# Altium PCB LimeSDR-QPCIe_1v2.PcbDoc (part 4 of 21)
Units mm, origin at the board's own origin, x right, y up, seen from the top; angles counter-clockwise.
Board outline 190 x 111.15 mm, 14 copper layers (Top, L2, L3, L4, L5, L6, L7, L8, L9, L10, L11, L12, L13, Bottom), stack 1.907 mm thick; 2014 components, 1408 nets, 9111 pads, 4171 vias.
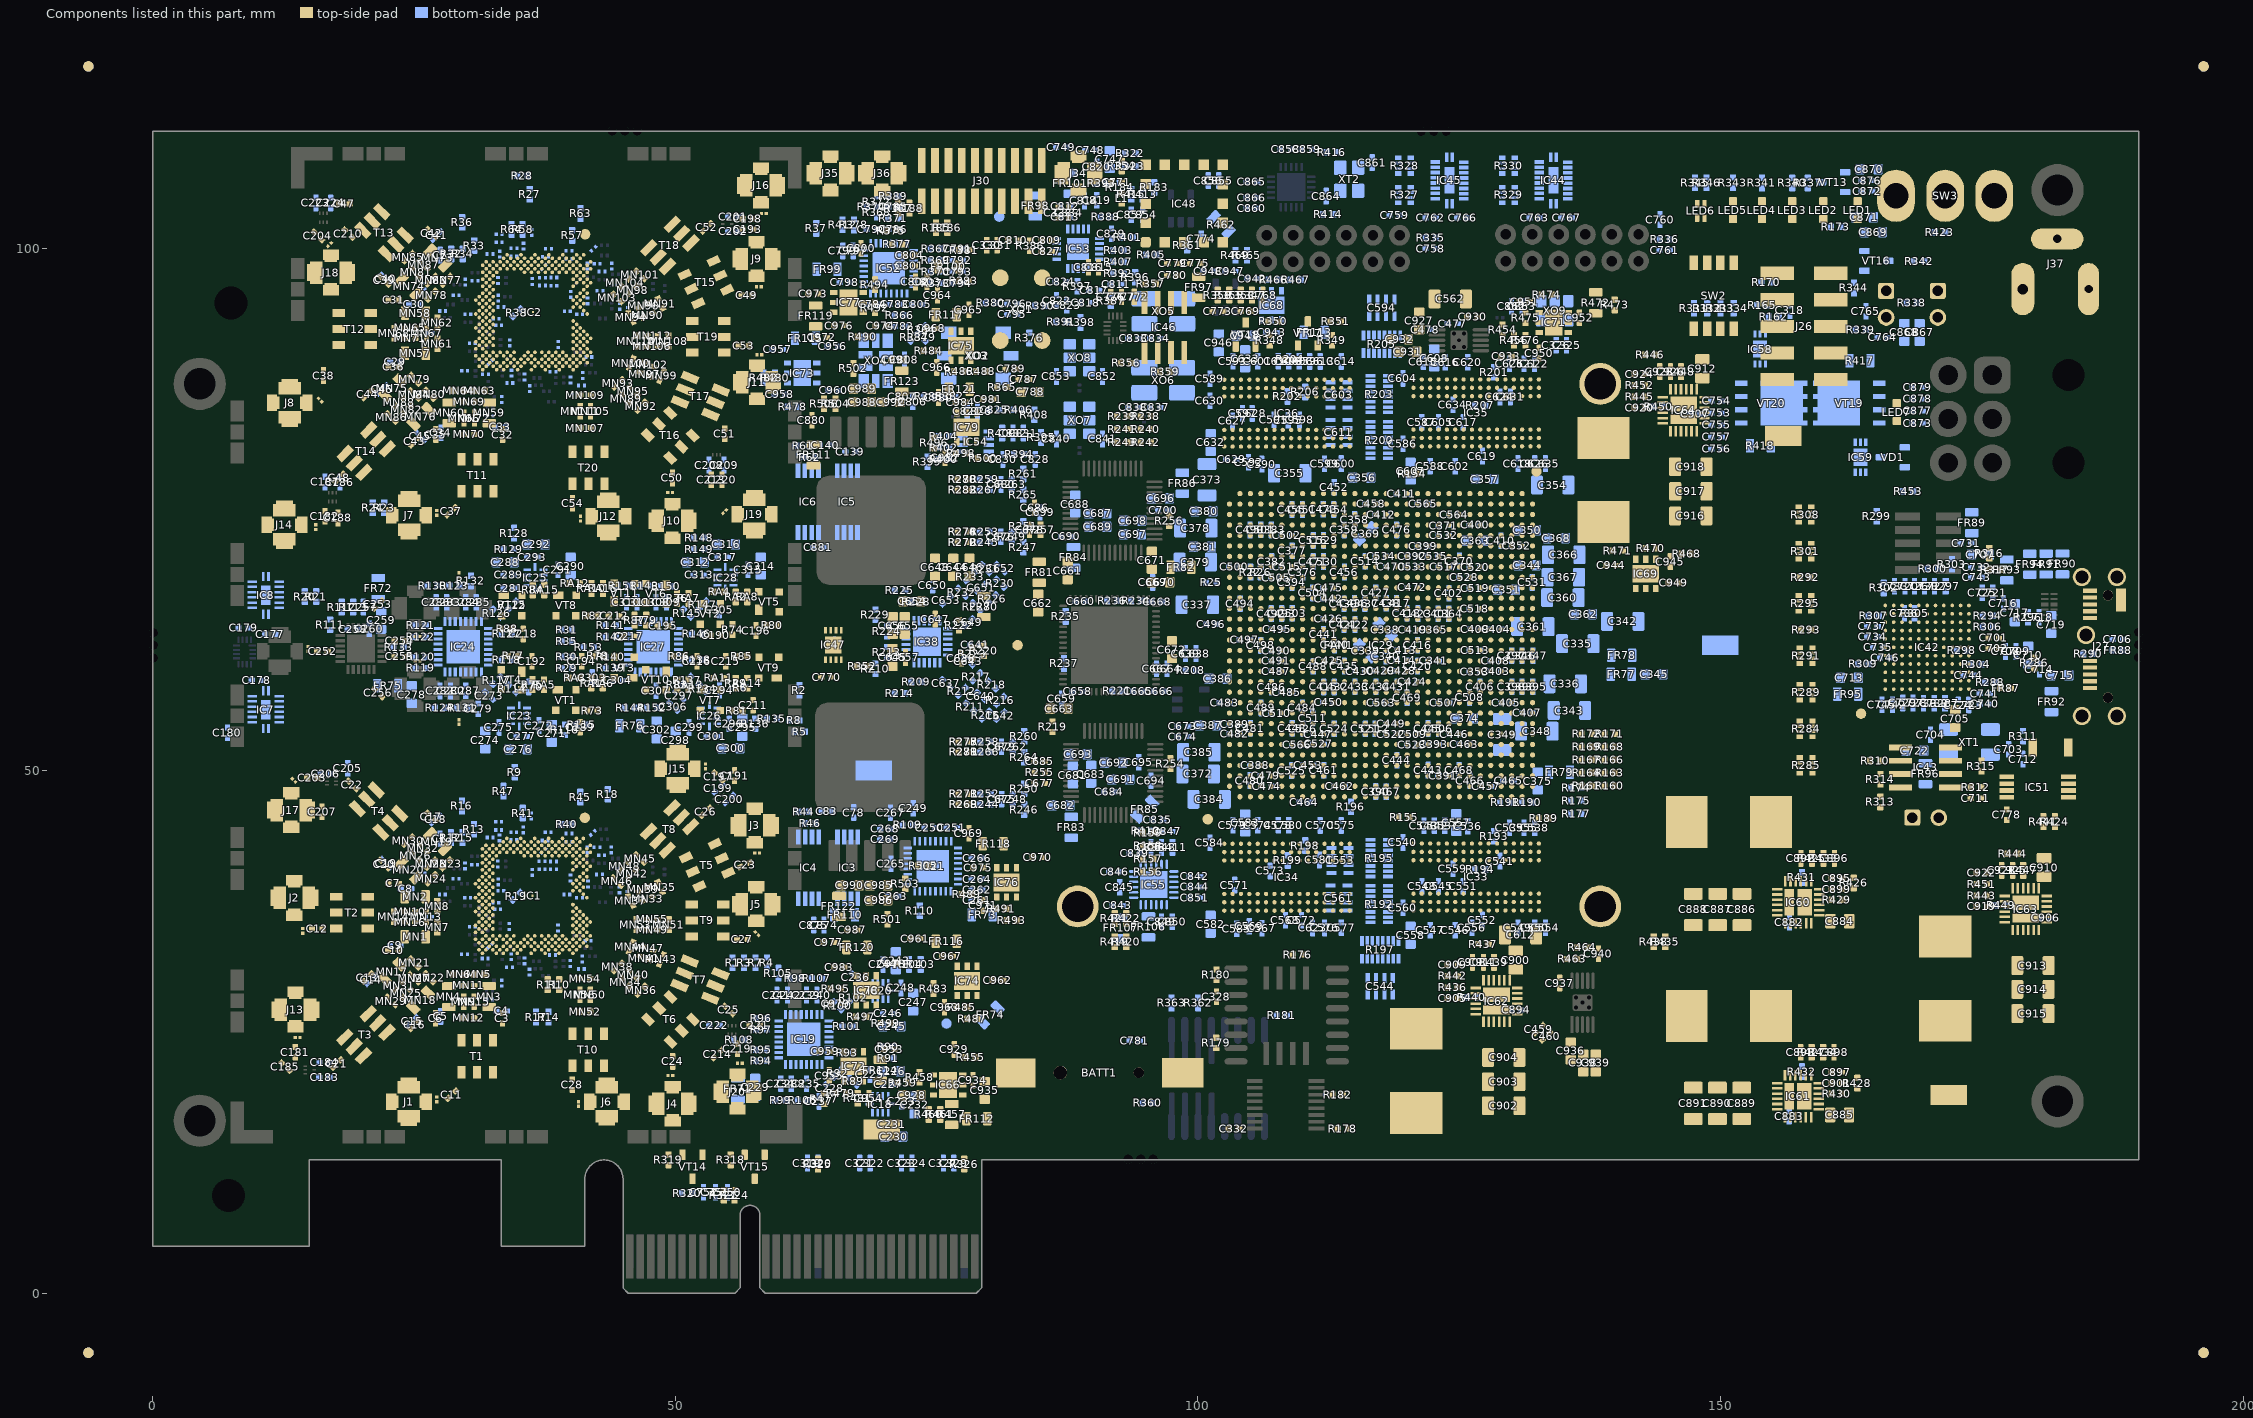
[diagram p16: the components of this part, seen from the top]

## Components (designator, comment, footprint, x,y, rotation, side; value= is the part's Value field where it differs from the comment) (continued)
R385 "22R" RES0402#2 74.25,85.8 r180 bottom
R386 "49.9R, 1%" RES0402#1 83.95,100.225 r90 top
R387 "10R, 5%" RES0402#2 91.675,94.975 r90 bottom
R388 "1k, 1%" RES0402#2 91.175,102.975 r0 bottom
R389 "0R" RES0402_v2 70.875,104.975 r0 bottom
R390 "0R" RES0402#2 84.925,94.475 r180 bottom
R391 "0R" RES0402#2 86.95,92.925 r180 bottom
R392 "10k, 1%" RES0402#2 92.4,97.575 r180 bottom
R393 "49.9R, 1%" RES0402#2 90.825,106.175 r180 bottom
R394 "1k, 1%" RES0402#2 82.9,80.275 r180 bottom
R395 "0R" RES0402#2 85,81.875 r270 bottom
R396 "10k, 1%" RES0402#2 94,97.2 r270 bottom
R397 "10k, 1%" RES0402#2 88.475,96.35 r270 bottom
R398 "5.1k, 1%" RES0402#2 88.775,92.875 r90 bottom
R399 "10k, 1%" RES0402#2 74.128,79.558 r270 bottom
R400 "49.9R, 1%" RES0402#2 75.703,79.808 r180 bottom
R401 "49.9R, 1%" RES0402#2 93.275,101.025 r180 bottom
R402 "49.9R, 1%" RES0402#2 75.703,80.908 r180 bottom
R403 "49.9R, 1%" RES0402#2 92.4,99.775 r180 bottom
R404 "49.9R, 1%" RES0402#2 75.703,82.008 r180 bottom
R405 "10k, 1%" RES0402#2 95.55,99.35 r0 bottom
R406 "3k, 1%" RES0402#2 82.875,84.525 r180 bottom
R407 "49.9R, 1%" RES0402#2 92.4,98.675 r180 bottom
R408 "1k, 1%" RES0402#2 84.355,84.055 r90 bottom
R409 "10k, 1%" RES0402#2 81.275,82.3 r90 bottom
R410 "49.9R, 1%" RES0402#2 95.025,44.25 r0 bottom
R411 "0R" RES0402#2 97.575,42.65 r270 bottom
R412 "0R" RES0402#2 66,102.225 r90 bottom
R413 "0R" RES0402#2 94.725,105.15 r270 bottom
R414 "0R" RES0402#2 112.475,103.225 r0 bottom
R415 "0R" RES0402#2 93.625,105.15 r270 bottom
R416 "0R" RES0402#2 112.825,109.175 r180 bottom
R417 "0R" RES0805#1 163.35,89.215 r0 bottom
R418 "0R" RES0805#1 153.825,81.08 r180 bottom
R419 "0R" RES0402#1 92.05,33.625 r270 top
R420 "0R" RES0402#1 93.15,33.625 r270 top
R421 "0R" RES0402#1 92.05,35.85 r90 top
R422 "0R" RES0402#1 93.15,35.85 r90 top
R423 "0R" RES0402#2 171,101.5 r0 bottom
R424 "0R" RES0402#1 182,45.125 r270 top
R425 "15k, 1%" RES0402#1 158.75,41.6 r90 top
R426 "44.2k, 1%" RES0402#1 162.75,39.25 r90 top
R427 "8.2k, 1%" RES0402#1 158.725,23.05 r90 top
R428 "44.2k, 1%" RES0402#1 163.1,20.1 r90 top
R429 "100k, 5%" RES0402#1 161.15,37.65 r0 top
R430 "124k, 1%" RES0402#1 161.125,19.1 r0 top
R431 "10k, 1%" RES0402#2 157.8,39.775 r270 bottom
R432 "10k, 1%" RES0402#2 157.8,21.2 r270 bottom
R433 "39k, 1%" RES0402#1 159.85,41.6 r270 top
R434 "66.5k" RES0402#1 159.825,23.05 r270 top
R435 "10k, 1%" RES0402#1 144.725,33.625 r270 top
R436 "47.5k, 1%" RES0402#1 124.375,29.25 r180 top
R437 "44.2k, 1%" RES0402#1 127.325,33.4 r180 top
R438 "0R" RES0402#1 143.625,33.625 r90 top
R439 "100k, 5%" RES0402#1 128.325,31.65 r90 top
R440 "15k, 1%" RES0402#2 126.225,28.325 r180 bottom
R441 "0R" RES0402#1 180.9,45.125 r270 top
R442 "44.2k, 1%" RES0402#1 124.375,30.35 r0 top
R443 "10k, 1%" RES0402#1 175.013,38.05 r0 top
R444 "44.2k, 1%" RES0402#1 177.95,42.05 r180 top
R445 "22k, 1%" RES0402#1 142.275,85.775 r180 top
R446 "44.2k, 1%" RES0402#1 143.3,89.8 r180 top
R447 "100k, 5%" RES0402#1 178.963,40.45 r90 top
R448 "100k, 5%" RES0402#1 146.225,88.175 r90 top
R449 "2.21k, 1%" RES0402#2 176.863,37.125 r180 bottom
R450 "3k, 1%" RES0402#2 144.1,84.825 r180 bottom
R451 "44.2k, 1%" RES0402#1 175.013,39.143 r0 top
R452 "44.2k, 1%" RES0402#1 142.275,86.875 r0 top
R453 "470R, 0.5%" RES0402#2 167.95,76.725 r0 bottom
R454 "10k, 1%" RES0402#1 129.15,92.175 r270 top
R455 "0R" RES0402#1 78.25,22.575 r180 top
R456 "10k, 1%" RES0402#1 130.25,91.175 r270 top
R457 "0R" RES0805#2 76.45,17.1 r90 top
R458 "47.5k, 1%" RES0402#1 73.375,20.65 r90 top
R459 "15k, 1%" RES0402#1 71.775,20.15 r0 top
R460 "10k, 1%" RES0402#1 74.25,17.1 r90 top
R461 "10k, 1%" RES0402#1 75.35,17.1 r90 top
R462 "0R" RES0805#1 102.225,102.25 r315 bottom
R463 "10k, 1%" RES0402#1 135.8,31.975 r0 top
R464 "10k, 1%" RES0402#1 136.8,33.075 r0 top
R465 "0R" RES0402#2 104.7,99.3 r270 bottom
R466 "47.5k, 1%" RES0402#2 107.25,96.975 r180 bottom
R467 "15k, 1%" RES0402#2 109.35,96.975 r180 bottom
R468 "0R" RES0402#1 146.775,70.75 r180 top
R469 "0R" RES0402#2 103.6,99.3 r270 bottom
R470 "7.5k, 1%" RES0402#1 143.325,71.275 r0 top
R471 "15k, 1%" RES0402#1 140.175,71.05 r0 top
R472 "0R" RES0805#2 138.075,94.775 r90 top
R473 "0R" RES0402#1 139.875,94.55 r90 top
R474 "0R" RES0402#1 133.375,95.55 r180 top
R475 "10k, 1%" RES0402#1 131.35,93.325 r90 top
R476 "8.2k, 1%" RES0402#1 131.35,91.175 r90 top
R477 "0R" RES0402#1 64.25,18.6 r90 top
R478 "0R" RES0402#2 61.25,84.8 r180 bottom
R479 "10k, 1%" RES0402#1 65.85,19.15 r180 top
R480 "10k, 1%" RES0402#2 59.55,87.6 r270 bottom
R481 "8.2k, 1%" RES0402#1 67.45,18.65 r90 top
R482 "8.2k, 1%" RES0402#2 58.45,87.6 r90 bottom
R483 "0R" RES0402#1 74.716,29.15 r270 top
R484 "0R" RES0402#1 74.275,90.175 r0 top
R485 "10k, 1%" RES0402#1 77.425,27.35 r180 top
R486 "10k, 1%" RES0402#1 77.175,88.2 r180 top
R487 "8.2k, 1%" RES0402#1 78.425,26.25 r180 top
R488 "8.2k, 1%" RES0402#1 79.275,88.2 r180 top
R489 "0R" RES0402#1 77.9,38.175 r0 top
R490 "0R" RES0402#1 67.95,91.5 r0 top
R491 "7.5k, 1%" RES0402#1 81.2,36.775 r180 top
R492 "7.5k, 1%" RES0402#1 69.1,94.275 r270 top
R493 "10k, 1%" RES0402#1 82.2,35.675 r180 top
R494 "10k, 1%" RES0402#1 69.1,96.5 r270 top
R495 "0R" RES0402#1 65.35,29.15 r0 top
R496 "0R" RES0402#1 74.762,81.35 r270 top
R497 "8.2k, 1%" RES0402#1 67.775,26.45 r180 top
R498 "8.2k, 1%" RES0402#1 77.362,80.35 r180 top
R499 "15k, 1%" RES0402#1 70.125,25.85 r180 top
R500 "15k, 1%" RES0402#1 79.45,79.875 r180 top
R501 "0R" RES0402#1 70.314,35.785 r90 top
R502 "0R" RES0402#1 67.045,88.481 r270 top
R503 "1k, 1%" RES0402#1 72.014,39.185 r270 top
R504 "1k, 1%" RES0402#1 65.336,85.09 r90 top
R505 "100k, 5%" RES0402#1 73.725,40.9 r0 top
R506 "100k, 5%" RES0402#1 64.236,85.09 r90 top
RA1 "560R, 1%" RES0402#1 41.957,58.375 r270 top
RA2 "560R, 1%" RES0402#1 55.787,66.613 r270 top
RA3 "2.49k, 1%" RES0402#1 40.357,58.875 r0 top
RA4 "2.49k, 1%" RES0402#1 54.187,67.113 r0 top
RA5 "49.9R, 1%" RES0402#1 37.45,58.225 r270 top
RA6 "49.9R, 1%" RES0402#1 43.057,58.375 r90 top
RA7 "49.9R, 1%" RES0402#1 51.268,66.475 r270 top
RA8 "49.9R, 1%" RES0402#1 56.887,66.613 r90 top
RA9 "560R, 1%" RES0402#1 55.782,58.362 r270 top
RA10 "560R, 1%" RES0402#1 41.975,67.425 r270 top
RA11 "2.49k, 1%" RES0402#1 54.182,58.863 r0 top
RA12 "2.49k, 1%" RES0402#1 40.375,67.925 r0 top
RA13 "49.9R, 1%" RES0402#1 51.275,58.225 r270 top
RA14 "49.9R, 1%" RES0402#1 56.882,58.362 r90 top
RA15 "49.9R, 1%" RES0402#1 37.455,67.288 r270 top
RA16 "49.9R, 1%" RES0402#1 43.075,67.425 r90 top
SW1 "Switch, tactile" SW_tactile 181.575,52.2 r0 top
SW2 "4 bit switch" SW_4WAY_SMD_1P27 149.36,95.425 r180 top
SW3 "ON-ON" SWITCH_SPDT_SLIDER_V2 171.5,105 r0 top locked
T1 "JA4220-AL_" JA4220-AL_ 31.045,22.671 r0 top
T2 "JA4220-AL_" JA4220-AL_ 19.071,36.411 r270 top
T3 "TCM1-63AX+" TCM1-63AX+_v2 20.4,24.725 r135 top
T4 "TCM1-63AX+" TCM1-63AX+_v2 21.612,46.122 r45 top
T5 "JA4220-AL_" JA4220-AL_ 53.051,40.964 r115 top
T6 "JA4220-AL_" JA4220-AL_ 49.537,26.189 r45 top
T7 "TCM1-63AX+" TCM1-63AX+_v2 52.367,30.004 r247.5 top
T8 "TCM1-63AX+" TCM1-63AX+_v2 49.458,44.412 r315 top
T9 "JA4220-AL_" JA4220-AL_ 53.079,35.665 r90 top
T10 "JA4220-AL_" JA4220-AL_ 41.674,23.297 r0 top
T11 "JA4220-AL_" JA4220-AL_ 31.086,78.248 r0 top
T12 "JA4220-AL_" JA4220-AL_ 19.337,92.248 r270 top
T13 "TCM1-63AX+" TCM1-63AX+_v2 22.138,101.459 r45 top
T14 "TCM1-63AX+" TCM1-63AX+_v2 20.427,80.562 r135 top
T15 "JA4220-AL_" JA4220-AL_ 52.927,96.732 r115 top
T16 "JA4220-AL_" JA4220-AL_ 49.518,82.072 r45 top
T17 "TCM1-63AX+" TCM1-63AX+_v2 52.393,85.841 r247.5 top
T18 "TCM1-63AX+" TCM1-63AX+_v2 49.485,100.25 r315 top
T19 "JA4220-AL_" JA4220-AL_ 53.145,91.507 r90 top
T20 "JA4220-AL_" JA4220-AL_ 41.701,78.975 r0 top
TP1 "TESTPOINT_THT_MINI" TP-SMD-LOW_PROFILE 171.85,18.95 r180 top
TP2 "TESTPOINT_THT_MINI" TP-SMD-LOW_PROFILE 69.75,15.65 r0 top
TP3 "TESTPOINT_THT_MINI" TP-SMD-LOW_PROFILE 156,82 r0 top
TP4 "TESTPOINT_THT_MINI" TP-SMD-LOW_PROFILE 69,50 r180 bottom
TP5 "TESTPOINT_THT_MINI" TP-SMD-LOW_PROFILE 150,62 r180 bottom
VD1 "MMBD1205" SOT23-3_v2 166.5,79.98 r180 bottom
VT1 "RF MOSFET" BF1105R_SOT143R4 39.532,56.75 r180 top
VT2 "RF MOSFET" BF1105R_SOT143R4 53.362,64.988 r180 top
VT3 "RF MOSFET" BF1105R_SOT143R4 45.12,59.862 r0 top
VT4 "RF MOSFET" BF1105R_SOT143R4 34.325,58.7 r90 top
VT5 "RF MOSFET" BF1105R_SOT143R4 58.975,66.15 r270 top
VT6 "RF MOSFET" BF1105R_SOT143R4 48.155,66.938 r90 top
VT7 "RF MOSFET" BF1105R_SOT143R4 53.357,56.737 r180 top
VT8 "RF MOSFET" BF1105R_SOT143R4 39.55,65.8 r180 top
VT9 "RF MOSFET" BF1105R_SOT143R4 58.945,59.85 r0 top
VT10 "RF MOSFET" BF1105R_SOT143R4 48.15,58.687 r90 top
VT11 "RF MOSFET" BF1105R_SOT143R4 45.163,66.963 r270 top
VT12 "RF MOSFET" BF1105R_SOT143R4 34.368,65.8 r180 top
VT13 "NDS331N" SOT23-3#1 160.775,106.3 r180 bottom
VT14 "NDS331N" SOT23-3#2 51.65,12.1 r270 top
VT15 "NDS331N" SOT23-3#2 57.6,12.1 r270 top
VT16 "NDS331N" SOT23-3#1 164.925,98.775 r0 bottom
VT17 "NDS331N" SOT23-3#2 110.525,91.825 r90 top
VT18 "NDS331N" SOT23-3#2 104.575,91.725 r90 top
VT19 "BSC093N04LS G" BSC093N04LS_G 162.325,85.155 r180 bottom
VT20 "BSC093N04LS G" BSC093N04LS_G 154.85,85.155 r0 bottom
XO1 "U7475LF 30.72MHz" AOCJYR-10.000MHZ 83.1,94.15 r90 top
XO2 "E6245LF 30.72 MHz" RAKON_RPT7050A 78.925,89.7 r0 bottom
XO3 "E5280LF 30.72MHz" RAKON_TXCO 78.925,89.7 r0 bottom
XO4 "RTX5032A, 40.00MHz" RAKON_RTX5032A 69.175,89.2 r90 bottom
XO5 "KC5032A 100MHz" CRYSTAL_4-LCC_v4 96.7,93.95 r0 bottom
XO6 "KC5032A 125MHz" CRYSTAL_4-LCC_v4 96.675,87.35 r0 bottom
XO7 "SG3225" CRYSTAL_6-LCC 87.75,83.525 r90 bottom
XO8 "SG3225" CRYSTAL_6-LCC 87.75,89.5 r90 bottom
XO9 "SG3225" CRYSTAL_6-LCC 134.136,94.926 r0 bottom
XT1 "19.2MHz" CRYSTAL_4-LCC_v2 173.825,52.733 r180 bottom
XT2 "25MHz" CRYSTAL_4-LCC 114.475,106.575 r270 bottom

## Footprints (in the part's own frame and the unit in brackets; to place one, negate y for a bottom-side part, rotate by r counter-clockwise, add the part's x,y. Pads: shape width x height; smd on the part's side, far side on the other; paste and mask are expansions set on the pad)
24FC512 [mm] "TSOP, 8-Leads, Body 3,00x4,40mm, Pitch 0,65mm, IPC Medium Density"
  rect 1.4x0.45 smd mask+0.05: 1(-2.95,0.975) 2(-2.95,0.325) 3(-2.95,-0.325) 4(-2.95,-0.975) 5(2.95,-0.975) 6(2.95,-0.325) 7(2.95,0.325) 8(2.95,0.975)
  silkscreen extent -3.07,-1.55 1.85,1.88, body extent -3.25,-1.55 3.25,1.55, height 1.19
74HC595BQ,115 [mm]
  rect 0.9x0.25 smd mask+0.05: 1(-1.8,-0.25) 8(1.8,-0.25) 9(1.8,0.25) 16(-1.8,0.25)
  rect 0.25x0.9 smd mask+0.05: 2(-1.3,-1.3) 3(-0.8,-1.3) 4(-0.3,-1.3) 5(0.2,-1.3) 6(0.7,-1.3) 7(1.2,-1.3) 10(1.2,1.3) 11(0.7,1.3) 12(0.2,1.3) 13(-0.3,1.3) 14(-0.8,1.3) 15(-1.3,1.3)
  rect 1.9x0.9 smd paste-2 mask+0.05: PAD(0,0)
  silkscreen extent -2.3,-1.8 2.3,1.8, body extent -1.8,-1.07 1.8,1.08, height 1
AD5662_SOT23-8 [mm]
  rect 1x0.4 smd mask+0.05: 1(-1.25,0.975) 2(-1.25,0.325) 3(-1.25,-0.325) 4(-1.25,-0.975) 5(1.25,-0.975) 6(1.25,-0.325) 7(1.25,0.325) 8(1.25,0.975)
  silkscreen extent -1.29,-1.4 0.3,1.51, body extent -1.4,-1.49 1.4,1.45, height 1.2
ADA4930-2_LFCSP-24 [mm] "QFN, 24-Leads, Body 4,00x4,00mm, Pitch 0,50mm, thermal pad, IPC Medium Density"
  rect 0.9x0.3 smd mask+0.05: 1(-2,1.25) 2(-2,0.75) 3(-2,0.25) 4(-2,-0.25) 5(-2,-0.75) 6(-2,-1.25) 13(2,-1.25) 14(2,-0.75) 15(2,-0.25) 16(2,0.25) 17(2,0.75) 18(2,1.25)
  rect 0.3x0.9 smd mask+0.05: 7(-1.25,-2) 8(-0.75,-2) 9(-0.25,-2) 10(0.25,-2) 11(0.75,-2) 12(1.25,-2) 19(1.25,2) 20(0.75,2) 21(0.25,2) 22(-0.25,2) 23(-0.75,2) 24(-1.25,2)
  rect 2.7x2.7 smd mask+0.05: 25(0,0)
  silkscreen extent -2.58,-2.1 2.1,2.1, body extent -2,-2 2,2, height 0.83
ADF4002 [mm]
  rect 0.85x0.3 smd mask+0.05: 1(-2.05,1) 2(-2.05,0.5) 3(-2.05,0) 4(-2.05,-0.5) 5(-2.05,-1) 11(2.05,-1) 12(2.05,-0.5) 13(2.05,0) 14(2.05,0.5) 15(2.05,1)
  rect 0.3x0.85 smd mask+0.05: 6(-1,-1.9) 7(-0.5,-1.9) 8(0,-1.9) 9(0.5,-1.9) 10(1,-1.9) 16(1,1.9) 17(0.5,1.9) 18(0,1.9) 19(-0.5,1.9) 20(-1,1.9)
  rect 2.1x2.1 smd: 21(0,0)
  silkscreen extent -2.97,-2.03 2.2,2.03, body extent -2.02,-2.02 2.02,2.02, height 0.8
ADL5519_32LFCSP [mm] "32-Lead Lead Frame Chip Scale Package [LFCSP_VQ]   5 mm × 5 mm Body, Very Thin Quad Lead"
  rect 0.85x0.3 smd mask+0.05: 1(-2.4,1.75) 2(-2.4,1.25) 3(-2.4,0.75) 4(-2.4,0.25) 5(-2.4,-0.25) 6(-2.4,-0.75) 7(-2.4,-1.25) 8(-2.4,-1.75) 17(2.4,-1.75) 18(2.4,-1.25) 19(2.4,-0.75) 20(2.4,-0.25) 21(2.4,0.25) 22(2.4,0.75) 23(2.4,1.25) 24(2.4,1.75)
  rect 0.3x0.85 smd mask+0.05: 9(-1.75,-2.4) 10(-1.25,-2.4) 11(-0.75,-2.4) 12(-0.25,-2.4) 13(0.25,-2.4) 14(0.75,-2.4) 15(1.25,-2.4) 16(1.75,-2.4) 25(1.75,2.4) 26(1.25,2.4) 27(0.75,2.4) 28(0.25,2.4) 29(-0.25,2.4) 30(-0.75,2.4) 31(-1.25,2.4) 32(-1.75,2.4)
  rect 3.2x3.2 smd mask+0.05: PAD(0,0)
  silkscreen extent -2.7,-2.7 2.7,2.7, body extent -2.51,-2.52 2.51,2.5, height 0.89
ADP2386 [mm] "QFN, 24-Leads, Body 4,00x4,00mm, Pitch 0,50mm, 2x thermal pads, IPC Medium Density"
  rect 1x0.25 smd mask+0.05: 1(-2,1.25) 2(-2,0.75) 3(-2,0.25) 4(-2,-0.25) 5(-2,-0.75) 6(-2,-1.25) 13(2,-1.25) 14(2,-0.75) 15(2,-0.25) 16(2,0.25) 17(2,0.75) 18(2,1.25)
  rect 0.25x1 smd mask+0.05: 7(-1.25,-2) 8(-0.75,-2) 9(-0.25,-2) 10(0.25,-2) 11(0.75,-2) 12(1.25,-2) 19(1.25,2) 20(0.75,2) 21(0.25,2) 22(-0.25,2) 23(-0.75,2) 24(-1.25,2)
  rect 2.55x1.4 smd mask+0.05: 25(0,0.6)
  rect 2.55x0.9 smd mask+0.05: 26(0,-0.85)
  silkscreen extent -2.87,-2.1 2.1,2.1, body extent -2,-2 2,2, height 1
ALTR-FBGA896_A-200 [mm] "BGA, 896-Balls, Body 31x31mm, Pitch 1mm"
  round 0.5 smd: A2(-13.5,14.5) A3(-12.5,14.5) A4(-11.5,14.5) A5(-10.5,14.5) A6(-9.5,14.5) A7(-8.5,14.5) A8(-7.5,14.5) A9(-6.5,14.5) A10(-5.5,14.5) A11(-4.5,14.5) A12(-3.5,14.5) A13(-2.5,14.5) A14(-1.5,14.5) A15(-0.5,14.5) A16(0.5,14.5) A17(1.5,14.5) A18(2.5,14.5) A19(3.5,14.5) A20(4.5,14.5) A21(5.5,14.5) A22(6.5,14.5) A23(7.5,14.5) A24(8.5,14.5) A25(9.5,14.5) A26(10.5,14.5) A27(11.5,14.5) A28(12.5,14.5) A29(13.5,14.5) AA1(-14.5,-5.5) AA2(-13.5,-5.5) AA3(-12.5,-5.5) AA4(-11.5,-5.5) AA5(-10.5,-5.5) AA6(-9.5,-5.5) AA7(-8.5,-5.5) AA8(-7.5,-5.5) AA9(-6.5,-5.5) AA10(-5.5,-5.5) AA11(-4.5,-5.5) AA12(-3.5,-5.5) AA13(-2.5,-5.5) AA14(-1.5,-5.5) AA15(-0.5,-5.5) AA16(0.5,-5.5) AA17(1.5,-5.5) AA18(2.5,-5.5) AA19(3.5,-5.5) AA20(4.5,-5.5) AA21(5.5,-5.5) AA22(6.5,-5.5) AA23(7.5,-5.5) AA24(8.5,-5.5) AA25(9.5,-5.5) AA26(10.5,-5.5) AA27(11.5,-5.5) AA28(12.5,-5.5) AA29(13.5,-5.5) AA30(14.5,-5.5) AB1(-14.5,-6.5) AB2(-13.5,-6.5) AB3(-12.5,-6.5) AB4(-11.5,-6.5) AB5(-10.5,-6.5) AB6(-9.5,-6.5) AB7(-8.5,-6.5) AB8(-7.5,-6.5) AB9(-6.5,-6.5) AB10(-5.5,-6.5) AB11(-4.5,-6.5) AB12(-3.5,-6.5) AB13(-2.5,-6.5) AB14(-1.5,-6.5) AB15(-0.5,-6.5) AB16(0.5,-6.5) AB17(1.5,-6.5) AB18(2.5,-6.5) AB19(3.5,-6.5) AB20(4.5,-6.5) AB21(5.5,-6.5) AB22(6.5,-6.5) AB23(7.5,-6.5) AB24(8.5,-6.5) AB25(9.5,-6.5) AB26(10.5,-6.5) AB27(11.5,-6.5) AB28(12.5,-6.5) AB29(13.5,-6.5) AB30(14.5,-6.5) AC1(-14.5,-7.5) AC2(-13.5,-7.5) AC3(-12.5,-7.5) AC4(-11.5,-7.5) AC5(-10.5,-7.5) AC6(-9.5,-7.5) AC7(-8.5,-7.5) AC8(-7.5,-7.5) AC9(-6.5,-7.5) AC10(-5.5,-7.5) AC11(-4.5,-7.5) AC12(-3.5,-7.5) AC13(-2.5,-7.5) AC14(-1.5,-7.5) AC15(-0.5,-7.5) AC16(0.5,-7.5) AC17(1.5,-7.5) AC18(2.5,-7.5) AC19(3.5,-7.5) AC20(4.5,-7.5) AC21(5.5,-7.5) AC22(6.5,-7.5) AC23(7.5,-7.5) AC24(8.5,-7.5) AC25(9.5,-7.5) AC26(10.5,-7.5) AC27(11.5,-7.5) AC28(12.5,-7.5) AC29(13.5,-7.5) AC30(14.5,-7.5) AD1(-14.5,-8.5) AD2(-13.5,-8.5) AD3(-12.5,-8.5) AD4(-11.5,-8.5) AD5(-10.5,-8.5) AD6(-9.5,-8.5) AD7(-8.5,-8.5) AD8(-7.5,-8.5) AD9(-6.5,-8.5) AD10(-5.5,-8.5) AD11(-4.5,-8.5) AD12(-3.5,-8.5) AD13(-2.5,-8.5) AD14(-1.5,-8.5) AD15(-0.5,-8.5) AD16(0.5,-8.5) AD17(1.5,-8.5) AD18(2.5,-8.5) AD19(3.5,-8.5) AD20(4.5,-8.5) AD21(5.5,-8.5) AD22(6.5,-8.5) AD23(7.5,-8.5) AD24(8.5,-8.5) AD25(9.5,-8.5) AD26(10.5,-8.5) AD27(11.5,-8.5) AD28(12.5,-8.5) AD29(13.5,-8.5) AD30(14.5,-8.5) AE1(-14.5,-9.5) AE2(-13.5,-9.5) AE3(-12.5,-9.5) AE4(-11.5,-9.5) AE5(-10.5,-9.5) AE6(-9.5,-9.5) AE7(-8.5,-9.5) AE8(-7.5,-9.5) AE9(-6.5,-9.5) AE10(-5.5,-9.5) AE11(-4.5,-9.5) AE12(-3.5,-9.5) AE13(-2.5,-9.5) AE14(-1.5,-9.5) AE15(-0.5,-9.5) AE16(0.5,-9.5) AE17(1.5,-9.5) AE18(2.5,-9.5) AE19(3.5,-9.5) AE20(4.5,-9.5) AE21(5.5,-9.5) AE22(6.5,-9.5) AE23(7.5,-9.5) AE24(8.5,-9.5) AE25(9.5,-9.5) AE26(10.5,-9.5) AE27(11.5,-9.5) AE28(12.5,-9.5) AE29(13.5,-9.5) AE30(14.5,-9.5) AF1(-14.5,-10.5) AF2(-13.5,-10.5) AF3(-12.5,-10.5) AF4(-11.5,-10.5) AF5(-10.5,-10.5) AF6(-9.5,-10.5) AF7(-8.5,-10.5) AF8(-7.5,-10.5) AF9(-6.5,-10.5) AF10(-5.5,-10.5) AF11(-4.5,-10.5) AF12(-3.5,-10.5) AF13(-2.5,-10.5) AF14(-1.5,-10.5) AF15(-0.5,-10.5) AF16(0.5,-10.5) AF17(1.5,-10.5) AF18(2.5,-10.5) AF19(3.5,-10.5) AF20(4.5,-10.5) AF21(5.5,-10.5) AF22(6.5,-10.5) AF23(7.5,-10.5) AF24(8.5,-10.5) AF25(9.5,-10.5) AF26(10.5,-10.5) AF27(11.5,-10.5) AF28(12.5,-10.5) AF29(13.5,-10.5) AF30(14.5,-10.5) AG1(-14.5,-11.5) AG2(-13.5,-11.5) AG3(-12.5,-11.5) AG4(-11.5,-11.5) AG5(-10.5,-11.5) AG6(-9.5,-11.5) AG7(-8.5,-11.5) AG8(-7.5,-11.5) AG9(-6.5,-11.5) AG10(-5.5,-11.5) AG11(-4.5,-11.5) AG12(-3.5,-11.5) AG13(-2.5,-11.5) AG14(-1.5,-11.5) AG15(-0.5,-11.5) AG16(0.5,-11.5) AG17(1.5,-11.5) AG18(2.5,-11.5) AG19(3.5,-11.5) AG20(4.5,-11.5) AG21(5.5,-11.5) AG22(6.5,-11.5) AG23(7.5,-11.5) AG24(8.5,-11.5) AG25(9.5,-11.5) AG26(10.5,-11.5) AG27(11.5,-11.5) AG28(12.5,-11.5) AG29(13.5,-11.5) AG30(14.5,-11.5) AH1(-14.5,-12.5) AH2(-13.5,-12.5) AH3(-12.5,-12.5) AH4(-11.5,-12.5) AH5(-10.5,-12.5) AH6(-9.5,-12.5) AH7(-8.5,-12.5) AH8(-7.5,-12.5) AH9(-6.5,-12.5) AH10(-5.5,-12.5) AH11(-4.5,-12.5) AH12(-3.5,-12.5) AH13(-2.5,-12.5) AH14(-1.5,-12.5) AH15(-0.5,-12.5) AH16(0.5,-12.5) AH17(1.5,-12.5) AH18(2.5,-12.5) AH19(3.5,-12.5) AH20(4.5,-12.5) AH21(5.5,-12.5) AH22(6.5,-12.5) AH23(7.5,-12.5) AH24(8.5,-12.5) AH25(9.5,-12.5) AH26(10.5,-12.5) AH27(11.5,-12.5) AH28(12.5,-12.5) AH29(13.5,-12.5) AH30(14.5,-12.5) AJ1(-14.5,-13.5) AJ2(-13.5,-13.5) AJ3(-12.5,-13.5) AJ4(-11.5,-13.5) AJ5(-10.5,-13.5) AJ6(-9.5,-13.5) AJ7(-8.5,-13.5) AJ8(-7.5,-13.5) AJ9(-6.5,-13.5) AJ10(-5.5,-13.5) AJ11(-4.5,-13.5) AJ12(-3.5,-13.5) AJ13(-2.5,-13.5) AJ14(-1.5,-13.5) AJ15(-0.5,-13.5) AJ16(0.5,-13.5) AJ17(1.5,-13.5) AJ18(2.5,-13.5) AJ19(3.5,-13.5) AJ20(4.5,-13.5) AJ21(5.5,-13.5) AJ22(6.5,-13.5) AJ23(7.5,-13.5) AJ24(8.5,-13.5) AJ25(9.5,-13.5) AJ26(10.5,-13.5) AJ27(11.5,-13.5) AJ28(12.5,-13.5) AJ29(13.5,-13.5) AJ30(14.5,-13.5) AK2(-13.5,-14.5) AK3(-12.5,-14.5) AK4(-11.5,-14.5) AK5(-10.5,-14.5) AK6(-9.5,-14.5) AK7(-8.5,-14.5) AK8(-7.5,-14.5) AK9(-6.5,-14.5) AK10(-5.5,-14.5) AK11(-4.5,-14.5) AK12(-3.5,-14.5) AK13(-2.5,-14.5) AK14(-1.5,-14.5) AK15(-0.5,-14.5) AK16(0.5,-14.5) AK17(1.5,-14.5) AK18(2.5,-14.5) AK19(3.5,-14.5) AK20(4.5,-14.5) AK21(5.5,-14.5) AK22(6.5,-14.5) AK23(7.5,-14.5) AK24(8.5,-14.5) AK25(9.5,-14.5) AK26(10.5,-14.5) AK27(11.5,-14.5) AK28(12.5,-14.5) AK29(13.5,-14.5) B1(-14.5,13.5) B2(-13.5,13.5) B3(-12.5,13.5) B4(-11.5,13.5) B5(-10.5,13.5) B6(-9.5,13.5) B7(-8.5,13.5) B8(-7.5,13.5) B9(-6.5,13.5) B10(-5.5,13.5) B11(-4.5,13.5) B12(-3.5,13.5) B13(-2.5,13.5) B14(-1.5,13.5) B15(-0.5,13.5) B16(0.5,13.5) B17(1.5,13.5) B18(2.5,13.5) B19(3.5,13.5) B20(4.5,13.5) B21(5.5,13.5) B22(6.5,13.5) B23(7.5,13.5) B24(8.5,13.5) B25(9.5,13.5) B26(10.5,13.5) B27(11.5,13.5) B28(12.5,13.5) B29(13.5,13.5) B30(14.5,13.5) C1(-14.5,12.5) C2(-13.5,12.5) C3(-12.5,12.5) C4(-11.5,12.5) C5(-10.5,12.5) C6(-9.5,12.5) C7(-8.5,12.5) C8(-7.5,12.5) C9(-6.5,12.5) C10(-5.5,12.5) C11(-4.5,12.5) C12(-3.5,12.5) C13(-2.5,12.5) C14(-1.5,12.5) C15(-0.5,12.5) C16(0.5,12.5) C17(1.5,12.5) C18(2.5,12.5) C19(3.5,12.5) C20(4.5,12.5) C21(5.5,12.5) C22(6.5,12.5) C23(7.5,12.5) C24(8.5,12.5) C25(9.5,12.5) C26(10.5,12.5) C27(11.5,12.5) C28(12.5,12.5) C29(13.5,12.5) C30(14.5,12.5) D1(-14.5,11.5) D2(-13.5,11.5) D3(-12.5,11.5) D4(-11.5,11.5) D5(-10.5,11.5) D6(-9.5,11.5) D7(-8.5,11.5) D8(-7.5,11.5) D9(-6.5,11.5) D10(-5.5,11.5) D11(-4.5,11.5) D12(-3.5,11.5) D13(-2.5,11.5) D14(-1.5,11.5) D15(-0.5,11.5) D16(0.5,11.5) D17(1.5,11.5) D18(2.5,11.5) D19(3.5,11.5) D20(4.5,11.5) D21(5.5,11.5) D22(6.5,11.5) D23(7.5,11.5) D24(8.5,11.5) D25(9.5,11.5) D26(10.5,11.5) D27(11.5,11.5) D28(12.5,11.5) D29(13.5,11.5) D30(14.5,11.5) E1(-14.5,10.5) E2(-13.5,10.5) E3(-12.5,10.5) E4(-11.5,10.5) E5(-10.5,10.5) E6(-9.5,10.5) E7(-8.5,10.5) E8(-7.5,10.5) E9(-6.5,10.5) E10(-5.5,10.5) E11(-4.5,10.5) E12(-3.5,10.5) E13(-2.5,10.5) E14(-1.5,10.5) E15(-0.5,10.5) E16(0.5,10.5) E17(1.5,10.5) E18(2.5,10.5) E19(3.5,10.5) E20(4.5,10.5) E21(5.5,10.5) E22(6.5,10.5) E23(7.5,10.5) E24(8.5,10.5) E25(9.5,10.5) E26(10.5,10.5) E27(11.5,10.5) E28(12.5,10.5) E29(13.5,10.5) E30(14.5,10.5) F1(-14.5,9.5) F2(-13.5,9.5) F3(-12.5,9.5) F4(-11.5,9.5) F5(-10.5,9.5) F6(-9.5,9.5) F7(-8.5,9.5) F8(-7.5,9.5) F9(-6.5,9.5) F10(-5.5,9.5) F11(-4.5,9.5) F12(-3.5,9.5) F13(-2.5,9.5) F14(-1.5,9.5) F15(-0.5,9.5) F16(0.5,9.5) F17(1.5,9.5) F18(2.5,9.5) F19(3.5,9.5) F20(4.5,9.5) F21(5.5,9.5) F22(6.5,9.5) F23(7.5,9.5) F24(8.5,9.5) F25(9.5,9.5) F26(10.5,9.5) F27(11.5,9.5) F28(12.5,9.5) F29(13.5,9.5) F30(14.5,9.5) G1(-14.5,8.5) G2(-13.5,8.5) G3(-12.5,8.5) G4(-11.5,8.5) G5(-10.5,8.5) G6(-9.5,8.5) G7(-8.5,8.5) G8(-7.5,8.5) G9(-6.5,8.5) G10(-5.5,8.5) G11(-4.5,8.5) G12(-3.5,8.5) G13(-2.5,8.5) G14(-1.5,8.5) G15(-0.5,8.5) G16(0.5,8.5) G17(1.5,8.5) G18(2.5,8.5) G19(3.5,8.5) G20(4.5,8.5) G21(5.5,8.5) G22(6.5,8.5) G23(7.5,8.5) G24(8.5,8.5) G25(9.5,8.5) G26(10.5,8.5) G27(11.5,8.5) G28(12.5,8.5) G29(13.5,8.5) G30(14.5,8.5) H1(-14.5,7.5) H2(-13.5,7.5) H3(-12.5,7.5) H4(-11.5,7.5) H5(-10.5,7.5) H6(-9.5,7.5) H7(-8.5,7.5) H8(-7.5,7.5) H9(-6.5,7.5) H10(-5.5,7.5) H11(-4.5,7.5) H12(-3.5,7.5) H13(-2.5,7.5) H14(-1.5,7.5) H15(-0.5,7.5) H16(0.5,7.5) H17(1.5,7.5) H18(2.5,7.5) H19(3.5,7.5) H20(4.5,7.5) H21(5.5,7.5) H22(6.5,7.5) H23(7.5,7.5) H24(8.5,7.5) H25(9.5,7.5) H26(10.5,7.5) H27(11.5,7.5) H28(12.5,7.5) H29(13.5,7.5) H30(14.5,7.5) J1(-14.5,6.5) J2(-13.5,6.5) J3(-12.5,6.5) J4(-11.5,6.5) J5(-10.5,6.5) J6(-9.5,6.5) J7(-8.5,6.5) J8(-7.5,6.5) J9(-6.5,6.5) J10(-5.5,6.5) J11(-4.5,6.5) J12(-3.5,6.5) J13(-2.5,6.5) J14(-1.5,6.5) J15(-0.5,6.5) J16(0.5,6.5) J17(1.5,6.5) J18(2.5,6.5) J19(3.5,6.5) J20(4.5,6.5) J21(5.5,6.5) J22(6.5,6.5) J23(7.5,6.5) J24(8.5,6.5) J25(9.5,6.5) J26(10.5,6.5) J27(11.5,6.5) J28(12.5,6.5) J29(13.5,6.5) J30(14.5,6.5) K1(-14.5,5.5) K2(-13.5,5.5) K3(-12.5,5.5) K4(-11.5,5.5) K5(-10.5,5.5) K6(-9.5,5.5) K7(-8.5,5.5) K8(-7.5,5.5) K9(-6.5,5.5) K10(-5.5,5.5) K11(-4.5,5.5) K12(-3.5,5.5) K13(-2.5,5.5) K14(-1.5,5.5) K15(-0.5,5.5) K16(0.5,5.5) K17(1.5,5.5) K18(2.5,5.5) K19(3.5,5.5) K20(4.5,5.5) K21(5.5,5.5) K22(6.5,5.5) K23(7.5,5.5) K24(8.5,5.5) K25(9.5,5.5) K26(10.5,5.5) K27(11.5,5.5) K28(12.5,5.5) K29(13.5,5.5) K30(14.5,5.5) L1(-14.5,4.5) L2(-13.5,4.5) L3(-12.5,4.5) L4(-11.5,4.5) L5(-10.5,4.5) L6(-9.5,4.5) L7(-8.5,4.5) L8(-7.5,4.5) L9(-6.5,4.5) L10(-5.5,4.5) L11(-4.5,4.5) L12(-3.5,4.5) L13(-2.5,4.5) L14(-1.5,4.5) L15(-0.5,4.5) L16(0.5,4.5) L17(1.5,4.5) L18(2.5,4.5) L19(3.5,4.5) L20(4.5,4.5) L21(5.5,4.5) L22(6.5,4.5) L23(7.5,4.5) L24(8.5,4.5) L25(9.5,4.5) L26(10.5,4.5) L27(11.5,4.5) L28(12.5,4.5) L29(13.5,4.5) L30(14.5,4.5) M1(-14.5,3.5) M2(-13.5,3.5) M3(-12.5,3.5) M4(-11.5,3.5) M5(-10.5,3.5) M6(-9.5,3.5) M7(-8.5,3.5) M8(-7.5,3.5) M9(-6.5,3.5) M10(-5.5,3.5) M11(-4.5,3.5) M12(-3.5,3.5) M13(-2.5,3.5) M14(-1.5,3.5) M15(-0.5,3.5) M16(0.5,3.5) M17(1.5,3.5) M18(2.5,3.5) M19(3.5,3.5) M20(4.5,3.5) M21(5.5,3.5) M22(6.5,3.5) M23(7.5,3.5) M24(8.5,3.5) M25(9.5,3.5) M26(10.5,3.5) M27(11.5,3.5) M28(12.5,3.5) M29(13.5,3.5) M30(14.5,3.5) N1(-14.5,2.5) N2(-13.5,2.5) N3(-12.5,2.5) N4(-11.5,2.5) N5(-10.5,2.5) N6(-9.5,2.5) N7(-8.5,2.5) N8(-7.5,2.5) N9(-6.5,2.5) N10(-5.5,2.5) N11(-4.5,2.5) N12(-3.5,2.5) N13(-2.5,2.5) N14(-1.5,2.5) N15(-0.5,2.5) N16(0.5,2.5) N17(1.5,2.5) N18(2.5,2.5) N19(3.5,2.5) N20(4.5,2.5) N21(5.5,2.5) N22(6.5,2.5) N23(7.5,2.5) N24(8.5,2.5) N25(9.5,2.5) N26(10.5,2.5) N27(11.5,2.5) N28(12.5,2.5) N29(13.5,2.5) N30(14.5,2.5) P1(-14.5,1.5) P2(-13.5,1.5) P3(-12.5,1.5) P4(-11.5,1.5) P5(-10.5,1.5) P6(-9.5,1.5) P7(-8.5,1.5) P8(-7.5,1.5) P9(-6.5,1.5) P10(-5.5,1.5) P11(-4.5,1.5) P12(-3.5,1.5) P13(-2.5,1.5) P14(-1.5,1.5) P15(-0.5,1.5) P16(0.5,1.5) P17(1.5,1.5) P18(2.5,1.5) P19(3.5,1.5) P20(4.5,1.5) P21(5.5,1.5) P22(6.5,1.5) P23(7.5,1.5) P24(8.5,1.5) P25(9.5,1.5) P26(10.5,1.5) P27(11.5,1.5) P28(12.5,1.5) P29(13.5,1.5) P30(14.5,1.5) R1(-14.5,0.5) R2(-13.5,0.5) R3(-12.5,0.5) R4(-11.5,0.5) R5(-10.5,0.5) R6(-9.5,0.5) R7(-8.5,0.5) R8(-7.5,0.5) R9(-6.5,0.5) R10(-5.5,0.5) R11(-4.5,0.5) R12(-3.5,0.5) R13(-2.5,0.5) R14(-1.5,0.5) R15(-0.5,0.5) R16(0.5,0.5) R17(1.5,0.5) R18(2.5,0.5) R19(3.5,0.5) R20(4.5,0.5) R21(5.5,0.5) R22(6.5,0.5) R23(7.5,0.5) R24(8.5,0.5) R25(9.5,0.5) R26(10.5,0.5) R27(11.5,0.5) R28(12.5,0.5) R29(13.5,0.5) R30(14.5,0.5) T1(-14.5,-0.5) T2(-13.5,-0.5) T3(-12.5,-0.5) T4(-11.5,-0.5) T5(-10.5,-0.5) T6(-9.5,-0.5) T7(-8.5,-0.5) T8(-7.5,-0.5) T9(-6.5,-0.5) T10(-5.5,-0.5) T11(-4.5,-0.5) T12(-3.5,-0.5) T13(-2.5,-0.5) T14(-1.5,-0.5) T15(-0.5,-0.5) T16(0.5,-0.5) T17(1.5,-0.5) T18(2.5,-0.5) T19(3.5,-0.5) T20(4.5,-0.5) T21(5.5,-0.5) T22(6.5,-0.5) T23(7.5,-0.5) T24(8.5,-0.5) T25(9.5,-0.5) T26(10.5,-0.5) T27(11.5,-0.5) T28(12.5,-0.5) T29(13.5,-0.5) T30(14.5,-0.5) U1(-14.5,-1.5) U2(-13.5,-1.5) U3(-12.5,-1.5) U4(-11.5,-1.5) U5(-10.5,-1.5) U6(-9.5,-1.5) U7(-8.5,-1.5) U8(-7.5,-1.5) U9(-6.5,-1.5) U10(-5.5,-1.5) U11(-4.5,-1.5) U12(-3.5,-1.5) U13(-2.5,-1.5) U14(-1.5,-1.5) U15(-0.5,-1.5) U16(0.5,-1.5) U17(1.5,-1.5) U18(2.5,-1.5) U19(3.5,-1.5) U20(4.5,-1.5) U21(5.5,-1.5) U22(6.5,-1.5) U23(7.5,-1.5) U24(8.5,-1.5) U25(9.5,-1.5) U26(10.5,-1.5) U27(11.5,-1.5) U28(12.5,-1.5) U29(13.5,-1.5) U30(14.5,-1.5) V1(-14.5,-2.5) V2(-13.5,-2.5) V3(-12.5,-2.5) V4(-11.5,-2.5) V5(-10.5,-2.5) V6(-9.5,-2.5) V7(-8.5,-2.5) V8(-7.5,-2.5) V9(-6.5,-2.5) V10(-5.5,-2.5) V11(-4.5,-2.5) V12(-3.5,-2.5) V13(-2.5,-2.5) V14(-1.5,-2.5) V15(-0.5,-2.5) V16(0.5,-2.5) V17(1.5,-2.5) V18(2.5,-2.5) V19(3.5,-2.5) V20(4.5,-2.5) V21(5.5,-2.5) V22(6.5,-2.5) V23(7.5,-2.5) V24(8.5,-2.5) V25(9.5,-2.5) V26(10.5,-2.5) V27(11.5,-2.5) V28(12.5,-2.5) V29(13.5,-2.5) V30(14.5,-2.5) W1(-14.5,-3.5) W2(-13.5,-3.5) W3(-12.5,-3.5) W4(-11.5,-3.5) W5(-10.5,-3.5) W6(-9.5,-3.5) W7(-8.5,-3.5) W8(-7.5,-3.5) W9(-6.5,-3.5) W10(-5.5,-3.5) W11(-4.5,-3.5) W12(-3.5,-3.5) W13(-2.5,-3.5) W14(-1.5,-3.5) W15(-0.5,-3.5) W16(0.5,-3.5) W17(1.5,-3.5) W18(2.5,-3.5) W19(3.5,-3.5) W20(4.5,-3.5) W21(5.5,-3.5) W22(6.5,-3.5) W23(7.5,-3.5) W24(8.5,-3.5) W25(9.5,-3.5) W26(10.5,-3.5) W27(11.5,-3.5) W28(12.5,-3.5) W29(13.5,-3.5) W30(14.5,-3.5) Y1(-14.5,-4.5) Y2(-13.5,-4.5) Y3(-12.5,-4.5) Y4(-11.5,-4.5) Y5(-10.5,-4.5) Y6(-9.5,-4.5) Y7(-8.5,-4.5) Y8(-7.5,-4.5) Y9(-6.5,-4.5) Y10(-5.5,-4.5) Y11(-4.5,-4.5) Y12(-3.5,-4.5) Y13(-2.5,-4.5) Y14(-1.5,-4.5) Y15(-0.5,-4.5) Y16(0.5,-4.5) Y17(1.5,-4.5) Y18(2.5,-4.5) Y19(3.5,-4.5) Y20(4.5,-4.5) Y21(5.5,-4.5) Y22(6.5,-4.5) Y23(7.5,-4.5) Y24(8.5,-4.5) Y25(9.5,-4.5) Y26(10.5,-4.5) Y27(11.5,-4.5) Y28(12.5,-4.5) Y29(13.5,-4.5) Y30(14.5,-4.5)